# Altium PCB DAC_Sources.PcbDoc (part 1 of 9) (continued)
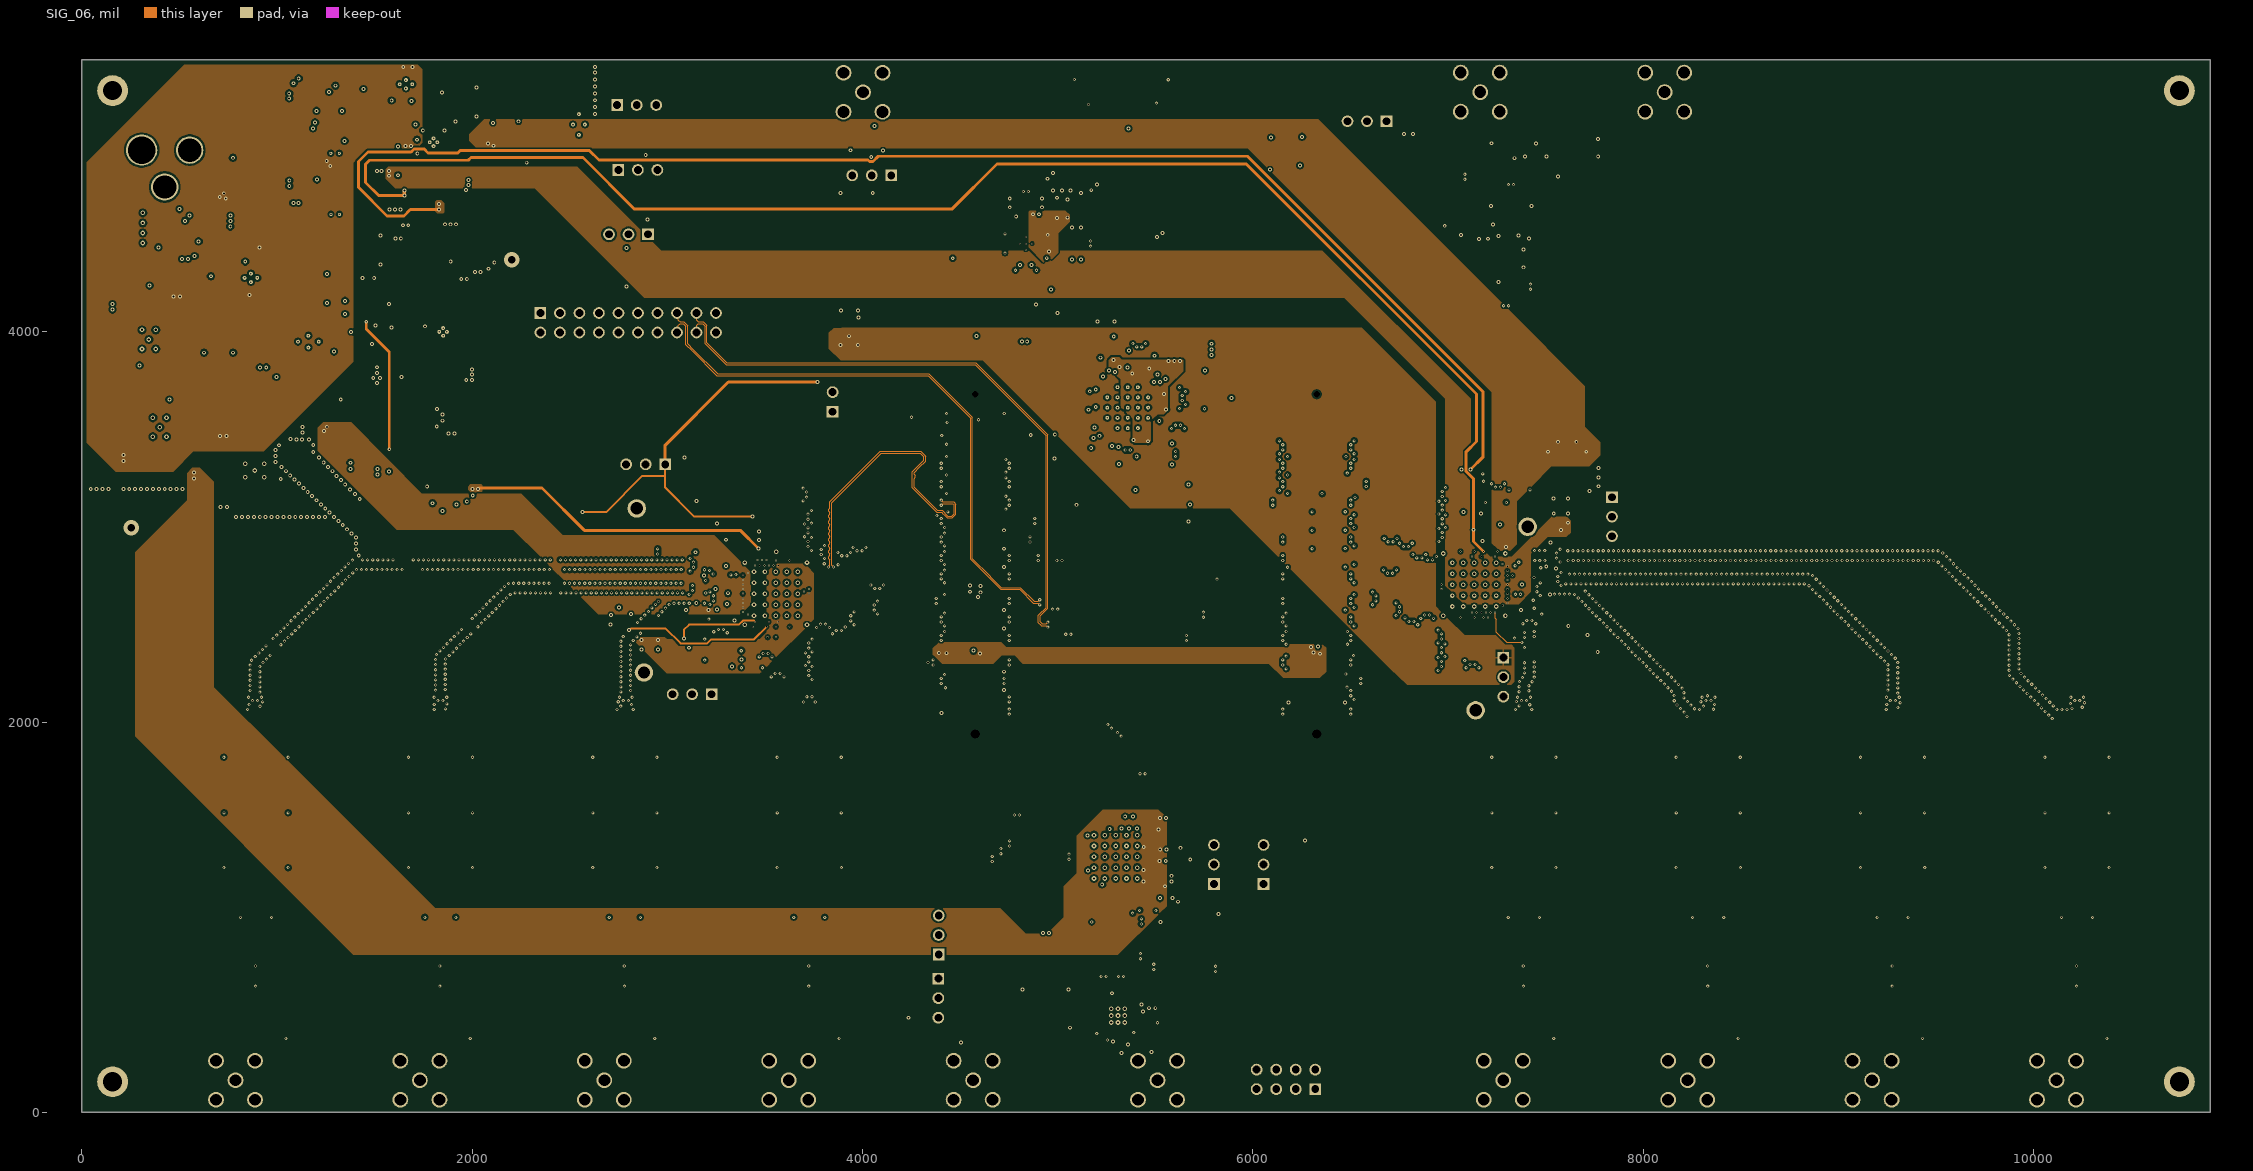
[diagram p6: SIG_06]
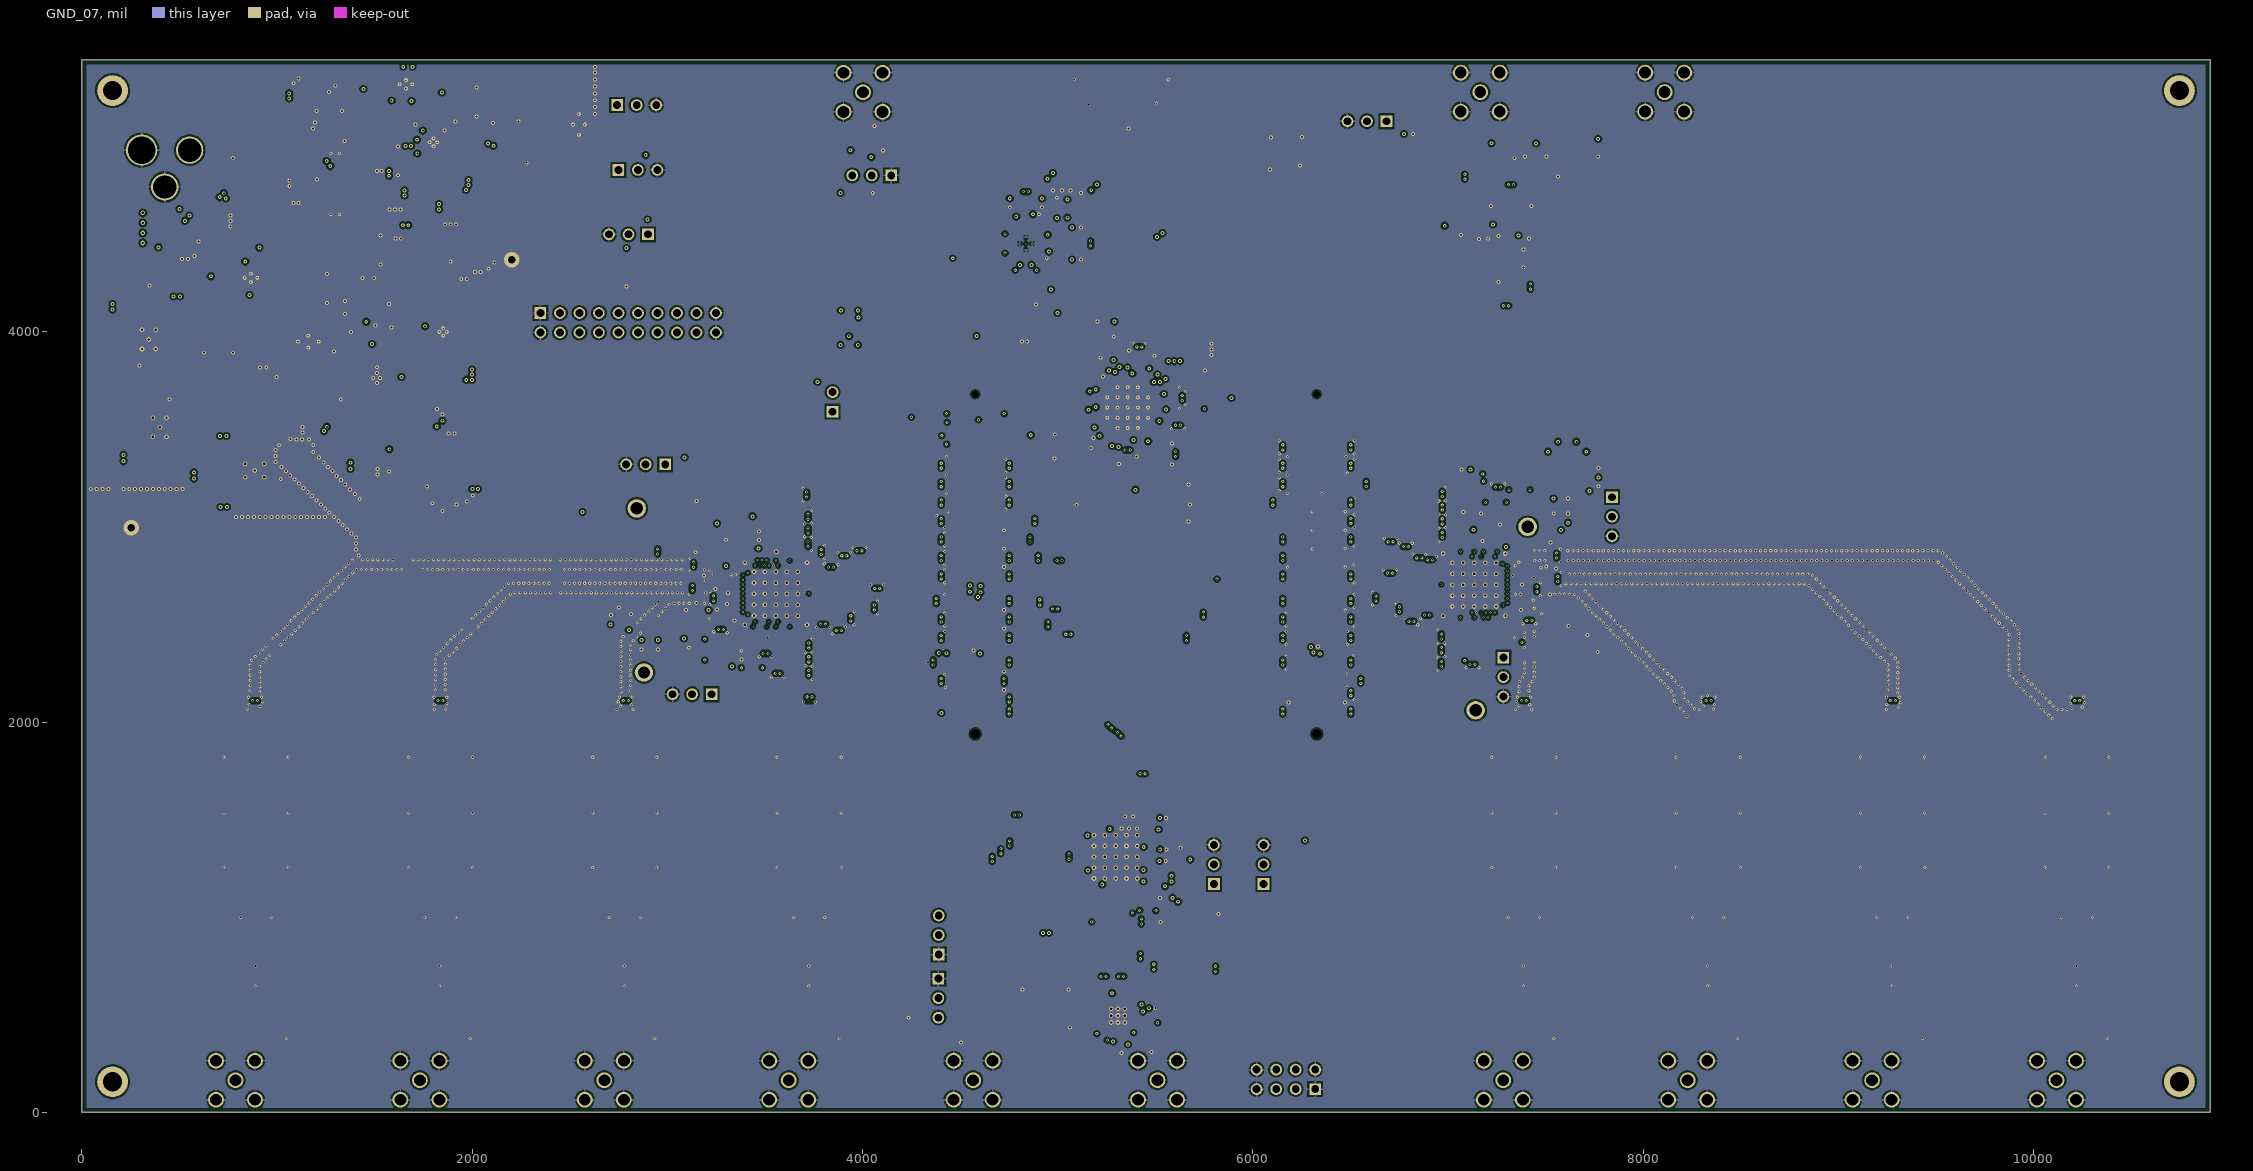
[diagram p7: GND_07]
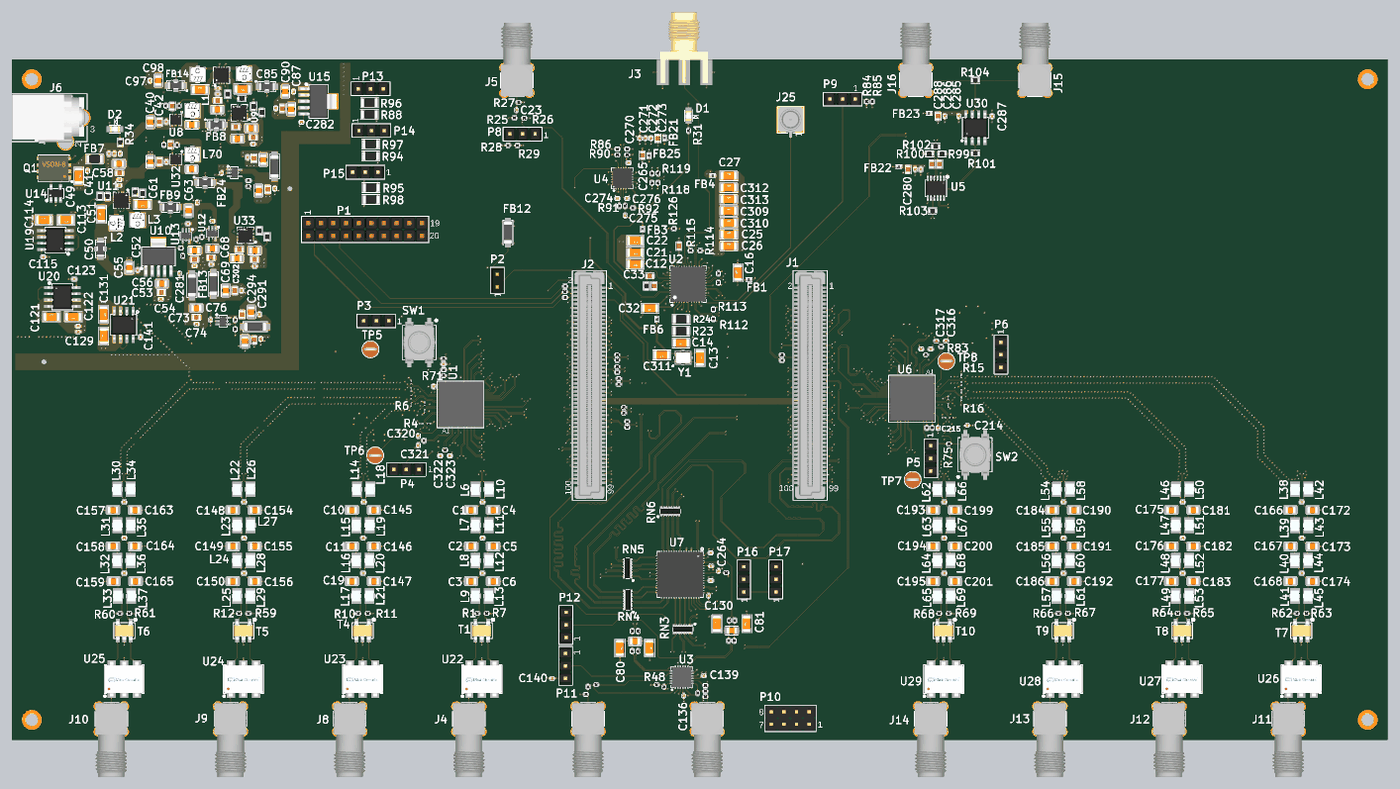
[diagram p16: 3D render of the assembled board from above, using the file's embedded part models]
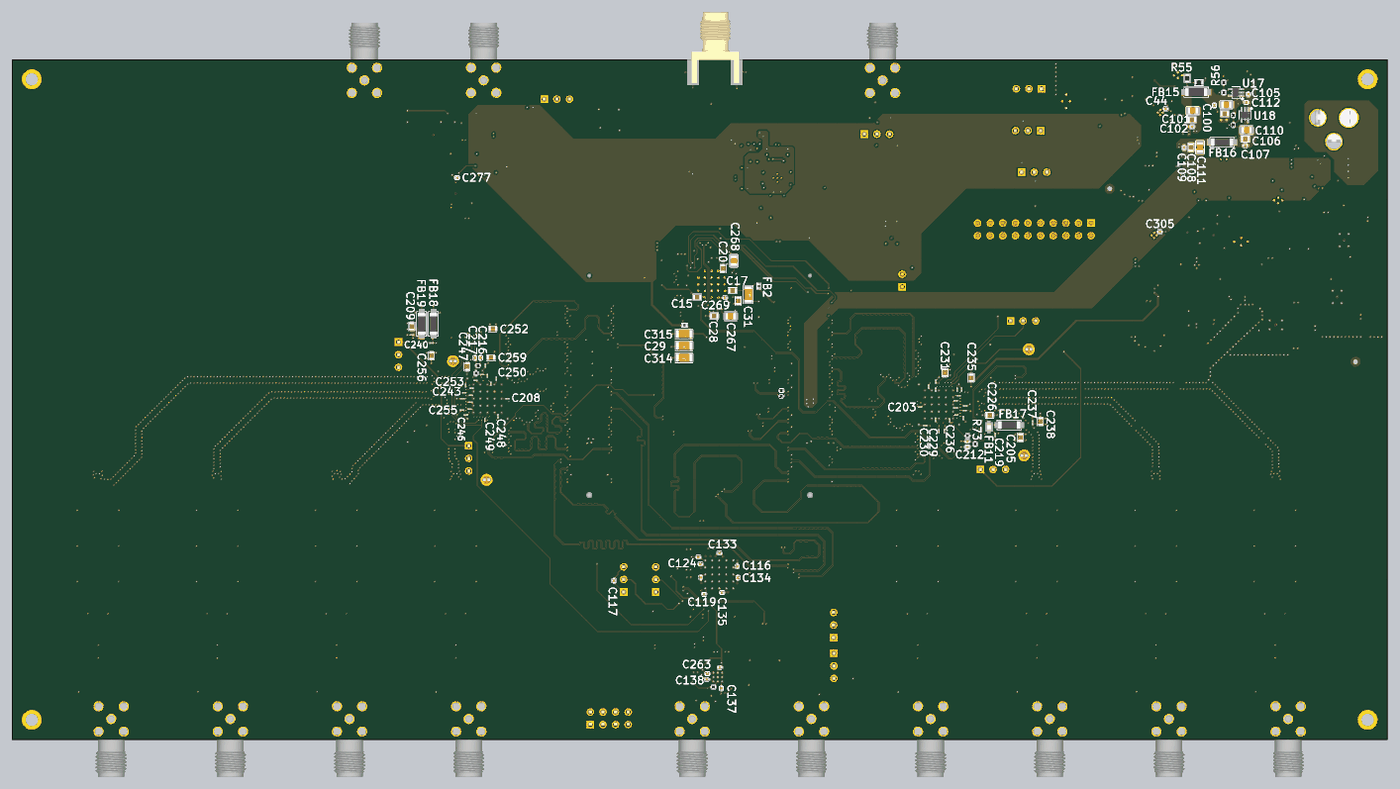
[diagram p17: 3D render of the assembled board from below, using the file's embedded part models]

## Layer stack, top to bottom
Top Solder: solder mask 0.4, Solder Resist, Dk 3.5
Top Layer: signal copper 1.4
Dielectric 2: prepreg 4, PP-006, Dk 3.8
GND_02: signal copper 1.378
Dielectric 4: prepreg 5, PP-006, Dk 3.8
SIG_03: signal copper 0.689
Dielectric 6: prepreg 10, PP-006, Dk 3.8
PWR_04: signal copper 1.378
Dielectric 1: dielectric 18, FR-4, Dk 3.8
PWR_05: signal copper 1.378
Dielectric 7: prepreg 10, PP-006, Dk 3.8
SIG_06: signal copper 0.689
Dielectric 5: prepreg 5, PP-006, Dk 3.8
GND_07: signal copper 1.378
Dielectric 3: prepreg 4, PP-006, Dk 3.8
Bottom Layer: signal copper 1.4
Bottom Solder: solder mask 0.4, Solder Resist, Dk 3.5

## Board outline
0,0 0,5393.7 10905.51,5393.7 10905.51,0

## Design rules (kind name [scope] priority, off if disabled: settings)
BoardOutlineClearance [All] p1: gap=25 ignorepadtopadclearanceinfootprint=FALSE except(10: Text-OutlineEdge Text-CavityEdge Text-CutoutEdge Text-SplitBarrior Text-SplitContinuation)
Clearance Clearance_power [InNetClass('Power')] p1: gap=5 ignorepadtopadclearanceinfootprint=FALSE except(3.94: Arc-SMDPad Track-SMDPad; 8: Track-Hole SMDPad-Hole; 10: Arc-Poly Arc-Hole Track-Poly SMDPad-Poly THPad-Poly THPad-Hole Via-Via Via-Poly Via-Hole Fill-Poly Fill-Hole Poly-Poly Poly-Region Poly-Hole Region-Hole)
Clearance [All] p2: gap=5 ignorepadtopadclearanceinfootprint=FALSE except(3.94: Arc-SMDPad Track-SMDPad; 3.98: Arc-Arc Arc-Track Track-Track; 8: Track-Hole SMDPad-Hole; 10: Arc-Poly Arc-Hole Track-Poly SMDPad-Poly THPad-Poly THPad-Hole Via-Via Via-Poly Via-Hole Fill-Poly Fill-Hole Poly-Poly Poly-Region Poly-Hole Region-Hole)
DiffPairsRouting [All] p1: maxlimit=10 minlimit=4 mostfreqgap=5 toplayer_maxgap=4 toplayer_prefgap=4 toplayer_minwidth=5 toplayer_maxwidth=5 toplayer_prefwidth=5 midlayer2_mingap=5 midlayer2_maxgap=5 midlayer2_minwidth=4 midlayer2_maxwidth=4 midlayer2_prefwidth=4 midlayer3_mingap=5 midlayer3_maxgap=5 midlayer3_minwidth=4 midlayer3_maxwidth=4 midlayer3_prefwidth=4 bottomlayer_maxgap=4 bottomlayer_prefgap=4 bottomlayer_minwidth=5 bottomlayer_maxwidth=5 bottomlayer_prefwidth=5 impedanceprofiledriven=TRUE impedanceprofileid={44043D8C-8031-48D3-A296-2A2AAD1479C5} impedanceprofilevalue=100.000000 maxuncoupledlength=1000
HoleSize [All] p1: absolutevalues=TRUE maxlimit=140 minlimit=1 maxpercent=80.000 minpercent=20.000
MatchedLengths Diff [InDifferentialPair('No Differential Pair')] p1: tolerance=5 checknetsindiffpair=TRUE checkdiffpairvsdiffpair=FALSE checkxsignals=FALSE checkothers=FALSE
MatchedLengths JX1 [InDifferentialPairClass('JX1')] p2: tolerance=196.85 checknetsindiffpair=FALSE checkdiffpairvsdiffpair=TRUE checkxsignals=TRUE checkothers=TRUE
MatchedLengths JX2 [InDifferentialPairClass('JX2')] p3: tolerance=196.85 checknetsindiffpair=FALSE checkdiffpairvsdiffpair=TRUE checkxsignals=TRUE checkothers=TRUE
MatchedLengths XNETS [InxSignalClass('All xSignals')] p4: tolerance=196.85 checknetsindiffpair=FALSE checkdiffpairvsdiffpair=TRUE checkxsignals=TRUE checkothers=TRUE
MinimumSolderMaskSliver [All] p1: minsoldermaskwidth=3
PolygonConnect PolygonConnect_drv [HasFootprint('FP-DRV0006A-IPC_A')] p1: connectstyle=Direct reliefconductorwidth=10 reliefentries=4 polygonreliefangle="90 Angle" airgapwidth=10
PolygonConnect PolygonConnect_dcq [HasFootprint('DCQ0006A')] p2: connectstyle=Direct reliefconductorwidth=10 reliefentries=4 polygonreliefangle="90 Angle" airgapwidth=10
PolygonConnect PolygonConnect_rgz [HasFootprint('FP-RGZ0048D-IPC_A')] p3: connectstyle=Direct reliefconductorwidth=10 reliefentries=4 polygonreliefangle="90 Angle" airgapwidth=10
PolygonConnect PolygonConnect_drc [HasFootprint('DRC0010G')] p4: connectstyle=Direct reliefconductorwidth=10 reliefentries=4 polygonreliefangle="90 Angle" airgapwidth=10
PolygonConnect PolygonConnect_drb [HasFootprint('DRB0008A_V')] p5: connectstyle=Direct reliefconductorwidth=10 reliefentries=4 polygonreliefangle="90 Angle" airgapwidth=10
PolygonConnect [All] p6: thpad.connectstyle=Relief thpad.reliefconductorwidth=10 thpad.reliefentries=4 thpad.polygonreliefangle="90 Angle" thpad.airgapwidth=10 smdpad.connectstyle=Direct smdpad.reliefconductorwidth=10 smdpad.reliefentries=4 smdpad.polygonreliefangle="90 Angle" smdpad.airgapwidth=10 via.connectstyle=Direct via.reliefconductorwidth=10 via.reliefentries=4 via.polygonreliefangle="90 Angle" via.airgapwidth=10
RoutingVias [All] p1: holewidth=10 width=20 viastyle="Through Hole" minholewidth=8 minwidth=16 maxholewidth=12 maxwidth=24
SilkToSilkClearance [All] p1: silktosilkclearance=0.1
SilkToSolderMaskClearance [IsPad] p1: minsilkscreentomaskgap=0.1 clearancetoexposedcopper=TRUE
SolderMaskExpansion [All] p1: expansion=4 istentingtop=FALSE
SupplyNets "Schematic Supply Nets" [InNet('GND')] p1: voltage=0.000
Width Width_power [InNetClass('Power')] p1: maxlimit=20 minlimit=5.98 preferedwidth=10
Width [All] p2: maxlimit=10 minlimit=5 preferedwidth=6 toplayer_minwidth=7.5 toplayer_prefwidth=7.5 midlayer2_minwidth=6 midlayer3_minwidth=6 bottomlayer_minwidth=7.5 bottomlayer_prefwidth=7.5 minimp=50.000000 maximp=50.000000 favimp=50.000000
25 further rules are at their usual default settings.

## Classes and differential pairs
differential pair class JX2: JX2_D0_DAC2 JX2_D1_DAC2 JX2_D2_DAC2 JX2_D3_DAC2 JX2_D4_DAC2 JX2_D5_DAC2 JX2_D6_DAC2 JX2_D7_DAC2 JX2_D8_DAC2 JX2_D9_DAC2 JX2_D10_DAC2 JX2_D11_DAC2 JX2_D12_DAC2 JX2_D13_DAC2 JX2_D14_DAC2 JX2_D15_DAC2 JX2_DATACLK_DAC2
differential pair class JX1: JX1_D0_DAC1 JX1_D1_DAC1 JX1_D2_DAC1 JX1_D3_DAC1 JX1_D4_DAC1 JX1_D5_DAC1 JX1_D6_DAC1 JX1_D7_DAC1 JX1_D8_DAC1 JX1_D9_DAC1 JX1_D10_DAC1 JX1_D11_DAC1 JX1_D12_DAC1 JX1_D13_DAC1 JX1_D14_DAC1 JX1_D15_DAC1 JX1_DATACLK_DAC1
differential pair class DOUT: DOUT0 DOUT1 DOUT2 DOUT3 DOUT4 DOUT5 DOUT6 DOUT7 DOUT8 DOUT9 DOUT10 DOUT11 DOUT12 DOUT13
differential pair class ADC: ADC_D0 ADC_D1 ADC_D2 ADC_D3 ADC_D4 ADC_D5 ADC_D6 ADC_D7 ADC_D8 ADC_D9 ADC_D10 ADC_D11 ADC_D12 ADC_D13 ADC_DCLK ADC_OR ADCCLK
net class Power: 1.2VCLK_DAC1 1.2VCLK_DAC2 1.2VDAC1 1.2VDAC2 1.2VDIGI_DAC1 1.2VDIGI_DAC2 1.8V_AVDD 1.8V_DRVDD 3.3V_AVDD 3.3V_LOGIC 3.3VA_DAC1 3.3VA_DAC2 3.3VCLK 3.3VCLK_PECL 6V GND NetC62_1 NetC96_1 NetC97_1 NetC106_2 NetC326_2 NetR41_2 NetR54_1 NetR55_2 NetR57_1 NetR124_1 V+U5 VBB VCC1_PLL VCC_AUX_IN VCC_AUX_OUT VCC_DS VCC_IN_PRI VCC_OUT VCC_VCO VCCO_13 VCCO_34 VDD VOCM_1
component class Designator: 21 C34 C35 C36 C37 C38 C39 C40 C41 C42 C43 C44 C45 C46 C47 C48 C49 C50 C51 C52 C53 C54 C55 C56 C57 C58 C59 C60 C61 C62 C63 C64 C65 C66 C67 C68 C69 C70 C71 C72 C73 C74 C75 C76 C77 C85 C86 C87 C88 C89 C90 C91 C92 C93 C94 C95 C96 C97 C98 C99 C100 C101 C102 C103 C104 C105 C106 C107 C108 C109 C110 C111 C112 C113 C114 C115 C116 C117 C118 C119 C120 C121 C122 C123 C124 C125 C126 C127 C128 C129 C130 C131 C132 C133 C134 C135 C136 C137 C138 C139 C140 C141 C281 C282 C290 C291 C292 C293 C294 C295 C296 C297 C298 C299 C300 C301 C302 C303 C304 C305 C324 C325 C326 C327 C328 C329 C330 C331 C332 D2 FB7 FB8 FB9 FB10 FB12 FB13 FB14 FB15 FB16 FB24 FB26 FB27 J6 L1 L2 L3 L4 L5 L70 Q1 R32 R33 R34 R35 R36 R37 R38 R40 R41 R42 R43 R44 R51 R52 R54 R55 R56 R57 R58 R105 R106 R107 R108 R109 R110 R122 R123 R124 R125 U8 U9 U10 U11 U12 U13 U14 U15 U16 U17 U18 U19 U20 U21 U32 U33 U34 U35
component class DACֹֹ_Sources: C1 C2 C3 C4 C5 C6 C7 C8 C9 C10 C11 C19 C78 C79 C80 C81 C83 C142 C143 C144 C145 C146 C147 C148 C149 C150 C151 C152 C153 C154 C155 C156 C157 C158 C159 C160 C161 C162 C163 C164 C165 C166 C167 C168 C169 C170 C171 C172 C173 C174 C175 C176 C177 C178 C179 C180 C181 C182 C183 C184 C185 C186 C187 C188 C189 C190 C191 C192 C193 C194 C195 C196 C197 C198 C199 C200 C201 C202 C203 C204 C205 C206 C207 C208 C209 C210 C211 C212 C213 C214 C215 C216 C217 C218 C219 C220 C221 C222 C223 C224 C225 C226 C227 C228 C229 C230 C231 C232 C233 C234 C235 C236 C237 C238 C239 C240 C241 C242 C243 C244 C245 C246 C247 C248 C249 C250 C251 C252 C253 C254 C255 C256 C257 C258 C259 C260 C261 C263 C264 C277 C278 C279 C280 C283 C284 C285 C286 C287 C288 C316 C317 C318 C319 C320 C321 C322 C323 FB11 FB17 FB18 FB19 FB22 FB23 J1 J2 J4 J8 J9 J10 J11 J12 J13 J14 J15 J16 J17 J18 L6 L7 L8 L9 L10 L11 L12 L13 L14 L15 L16 L17 L18 L19 L20 L21 L22 L23 L24 L25 L26 L27 L28 L29 L30 L31 L32 L33 L34 L35 L36 L37 L38 L39 L40 L41 L42 L43 L44 L45 L46 L47 L48 L49 L50 L51 L52 L53 L54 L55 L56 L57 L58 L59 L60 L61 L62 L63 L64 L65 L66 L67 L68 L69 P1 P3 P4 P5 P6 P10 P11 P12 P16 P17 R1 R2 R3 R4 R5 R6 R7 R8 R9 R10 R11 R12 R13 R14 R15 R16 R17 R18 R19 R20 R21 R22 R45 R46 R47 R48 R49 R50 R59 R60 R61 R62 R63 R64 R65 R66 R67 R68 R69 R70 R71 R72 R73 R74 R75 R76 R77 R78 R79 R80 R81 R82 R83 R99 R100 R101 R102 R103 R104 R111 R120 R121 R127 R128 R129 R130 R131 R132 R133 R134 R135 R136 R137 R138 R139 R140 R141 R142 R143 R144 R145 R146 R147 R148 R149 R150 R151 R152 RN3 RN4 RN5 RN6 SW1 SW2 T1 T4 T5 T6 T7 T8 T9 T10 TP5 TP6 TP7 TP8 U1 U3 U5 U6 U7 U22 U23 U24 U25 U26 U27 U28 U29 U30
differential pair IOUT2B: +IOUT2B_P -IOUT2B_N
differential pair JX1_LVDS9: +JX1_LVDS9_P -JX1_LVDS9_N
differential pair OR_OUT: +OR_OUT_P -OR_OUT_N
differential pair VIN_B: +VIN_B_P -VIN_B_N
differential pair EXT_COM_5: +EXT_COM_5_P -EXT_COM_5_N
differential pair EXT_COM_4: +EXT_COM_4_P -EXT_COM_4_N
differential pair EXT_COM_3: +EXT_COM_3_P -EXT_COM_3_N
differential pair EXT_COM_2: +EXT_COM_2_P -EXT_COM_2_N
differential pair EXT_COM_1: +EXT_COM_1_P -EXT_COM_1_N
differential pair EXT_COM_0: +EXT_COM_0_P -EXT_COM_0_N
differential pair DOUT13: +DOUT13_P -DOUT13_N
differential pair DOUT12: +DOUT12_P -DOUT12_N
differential pair DOUT11: +DOUT11_P -DOUT11_N
differential pair DOUT10: +DOUT10_P -DOUT10_N
differential pair DOUT9: +DOUT9_P -DOUT9_N
differential pair DOUT8: +DOUT8_P -DOUT8_N
differential pair DOUT7: +DOUT7_P -DOUT7_N
differential pair DOUT6: +DOUT6_P -DOUT6_N
differential pair DOUT5: +DOUT5_P -DOUT5_N
differential pair DOUT4: +DOUT4_P -DOUT4_N
differential pair DOUT3: +DOUT3_P -DOUT3_N
differential pair DOUT2: +DOUT2_P -DOUT2_N
differential pair DOUT1: +DOUT1_P -DOUT1_N
differential pair DOUT0: +DOUT0_P -DOUT0_N
differential pair DCLK: +DCLK_P -DCLK_N
differential pair ADC_OR: +ADC_OR_P -ADC_OR_N
differential pair ADC_DCLK: +ADC_DCLK_P -ADC_DCLK_N
differential pair ADC_D13: +ADC_D13_P -ADC_D13_N
differential pair ADC_D12: +ADC_D12_P -ADC_D12_N
differential pair ADC_D11: +ADC_D11_P -ADC_D11_N
differential pair ADC_D10: +ADC_D10_P -ADC_D10_N
differential pair ADC_D9: +ADC_D9_P -ADC_D9_N
differential pair ADC_D8: +ADC_D8_P -ADC_D8_N
differential pair ADC_D7: +ADC_D7_P -ADC_D7_N
differential pair ADC_D6: +ADC_D6_P -ADC_D6_N
differential pair ADC_D5: +ADC_D5_P -ADC_D5_N
differential pair ADC_D4: +ADC_D4_P -ADC_D4_N
differential pair ADC_D3: +ADC_D3_P -ADC_D3_N
differential pair ADC_D2: +ADC_D2_P -ADC_D2_N
differential pair ADC_D1: +ADC_D1_P -ADC_D1_N
differential pair ADC_D0: +ADC_D0_P -ADC_D0_N
differential pair PRI: +PRI_P -PRI_N
differential pair OSTR_DAC2_BUF: +OSTR_DAC2_BUF_P -OSTR_DAC2_BUF_N
differential pair OSTR_DAC1_BUF: +OSTR_DAC1_BUF_P -OSTR_DAC1_BUF_N
differential pair VXP0: +VXP0_P -VXP0_N
differential pair DXP0: +DXP0_P -DXP0_N
differential pair SYNC_DAC_C: +SYNC_DAC_C_P -SYNC_DAC_C_N
differential pair JX2_D0_DAC2: +JX2_D0_DAC2_P -JX2_D0_DAC2_N
differential pair VIN_A: +VIN_A_P -VIN_A_N
differential pair OSTR_DAC2_BUF_IN: +OSTR_DAC2_BUF_IN_P -OSTR_DAC2_BUF_IN_N
differential pair OSTR_DAC1_BUF_IN: +OSTR_DAC1_BUF_IN_P -OSTR_DAC1_BUF_IN_N
differential pair JX2_DACCLK_DAC2_IN: +JX2_DACCLK_DAC2_IN_P -JX2_DACCLK_DAC2_IN_N
differential pair JX1_DACCLK_DAC1_IN: +JX1_DACCLK_DAC1_IN_P -JX1_DACCLK_DAC1_IN_N
differential pair FPGA_CLK: +FPGA_CLK_P -FPGA_CLK_N
differential pair OUT_SYNC: +OUT_SYNC_P -OUT_SYNC_N
differential pair IOUT2D: +IOUT2D_P -IOUT2D_N
differential pair IOUT2C: +IOUT2C_P -IOUT2C_N
differential pair IOUT2A: +IOUT2A_P -IOUT2A_N
differential pair SYNC_DAC: +SYNC_DAC_P -SYNC_DAC_N
differential pair SYNC_DAC2_BUF: +SYNC_DAC2_BUF_P -SYNC_DAC2_BUF_N
differential pair SYNC_DAC1_BUF: +SYNC_DAC1_BUF_P -SYNC_DAC1_BUF_N
differential pair OSTR_DAC: +OSTR_DAC_P -OSTR_DAC_N
differential pair JX2_DATACLK_DAC2: +JX2_DATACLK_DAC2_P -JX2_DATACLK_DAC2_N
differential pair JX2_DACCLK_DAC2: +JX2_DACCLK_DAC2_P -JX2_DACCLK_DAC2_N
differential pair JX2_D15_DAC2: +JX2_D15_DAC2_P -JX2_D15_DAC2_N
differential pair JX2_D14_DAC2: +JX2_D14_DAC2_P -JX2_D14_DAC2_N
differential pair JX2_D13_DAC2: +JX2_D13_DAC2_P -JX2_D13_DAC2_N
differential pair JX2_D12_DAC2: +JX2_D12_DAC2_P -JX2_D12_DAC2_N
differential pair JX2_D11_DAC2: +JX2_D11_DAC2_P -JX2_D11_DAC2_N
differential pair JX2_D10_DAC2: +JX2_D10_DAC2_P -JX2_D10_DAC2_N
differential pair JX2_D9_DAC2: +JX2_D9_DAC2_P -JX2_D9_DAC2_N
differential pair JX2_D8_DAC2: +JX2_D8_DAC2_P -JX2_D8_DAC2_N
differential pair JX2_D7_DAC2: +JX2_D7_DAC2_P -JX2_D7_DAC2_N
differential pair JX2_D6_DAC2: +JX2_D6_DAC2_P -JX2_D6_DAC2_N
differential pair JX2_D5_DAC2: +JX2_D5_DAC2_P -JX2_D5_DAC2_N
differential pair JX2_D4_DAC2: +JX2_D4_DAC2_P -JX2_D4_DAC2_N
differential pair JX2_D3_DAC2: +JX2_D3_DAC2_P -JX2_D3_DAC2_N
differential pair JX2_D2_DAC2: +JX2_D2_DAC2_P -JX2_D2_DAC2_N
differential pair JX2_D1_DAC2: +JX2_D1_DAC2_P -JX2_D1_DAC2_N
differential pair JX1_DATACLK_DAC1: +JX1_DATACLK_DAC1_P -JX1_DATACLK_DAC1_N
differential pair JX1_DACCLK_DAC1: +JX1_DACCLK_DAC1_P -JX1_DACCLK_DAC1_N
differential pair JX1_D15_DAC1: +JX1_D15_DAC1_P -JX1_D15_DAC1_N
differential pair JX1_D14_DAC1: +JX1_D14_DAC1_P -JX1_D14_DAC1_N
differential pair JX1_D13_DAC1: +JX1_D13_DAC1_P -JX1_D13_DAC1_N
differential pair JX1_D12_DAC1: +JX1_D12_DAC1_P -JX1_D12_DAC1_N
differential pair JX1_D11_DAC1: +JX1_D11_DAC1_P -JX1_D11_DAC1_N
differential pair JX1_D10_DAC1: +JX1_D10_DAC1_P -JX1_D10_DAC1_N
differential pair JX1_D9_DAC1: +JX1_D9_DAC1_P -JX1_D9_DAC1_N
differential pair JX1_D8_DAC1: +JX1_D8_DAC1_P -JX1_D8_DAC1_N
differential pair JX1_D7_DAC1: +JX1_D7_DAC1_P -JX1_D7_DAC1_N
differential pair JX1_D6_DAC1: +JX1_D6_DAC1_P -JX1_D6_DAC1_N
differential pair JX1_D5_DAC1: +JX1_D5_DAC1_P -JX1_D5_DAC1_N
differential pair JX1_D4_DAC1: +JX1_D4_DAC1_P -JX1_D4_DAC1_N
differential pair JX1_D3_DAC1: +JX1_D3_DAC1_P -JX1_D3_DAC1_N
differential pair JX1_D2_DAC1: +JX1_D2_DAC1_P -JX1_D2_DAC1_N
differential pair JX1_D1_DAC1: +JX1_D1_DAC1_P -JX1_D1_DAC1_N
differential pair JX1_D0_DAC1: +JX1_D0_DAC1_P -JX1_D0_DAC1_N
differential pair IOUT1D: +IOUT1D_P -IOUT1D_N
differential pair IOUT1C: +IOUT1C_P -IOUT1C_N
differential pair IOUT1B: +IOUT1B_P -IOUT1B_N
differential pair IOUT1A: +IOUT1A_P -IOUT1A_N
differential pair ADCCLK: +ADCCLK_P -ADCCLK_N
